# Altium PCB can_gateway_4.PcbDoc (part 2 of 2)
Units mm, origin at the board's own origin, x right, y up, seen from the top; angles counter-clockwise.
Board outline 100 x 67 mm, 2 copper layers (Top Layer, Bottom Layer); 219 components, 180 nets, 793 pads, 179 vias.
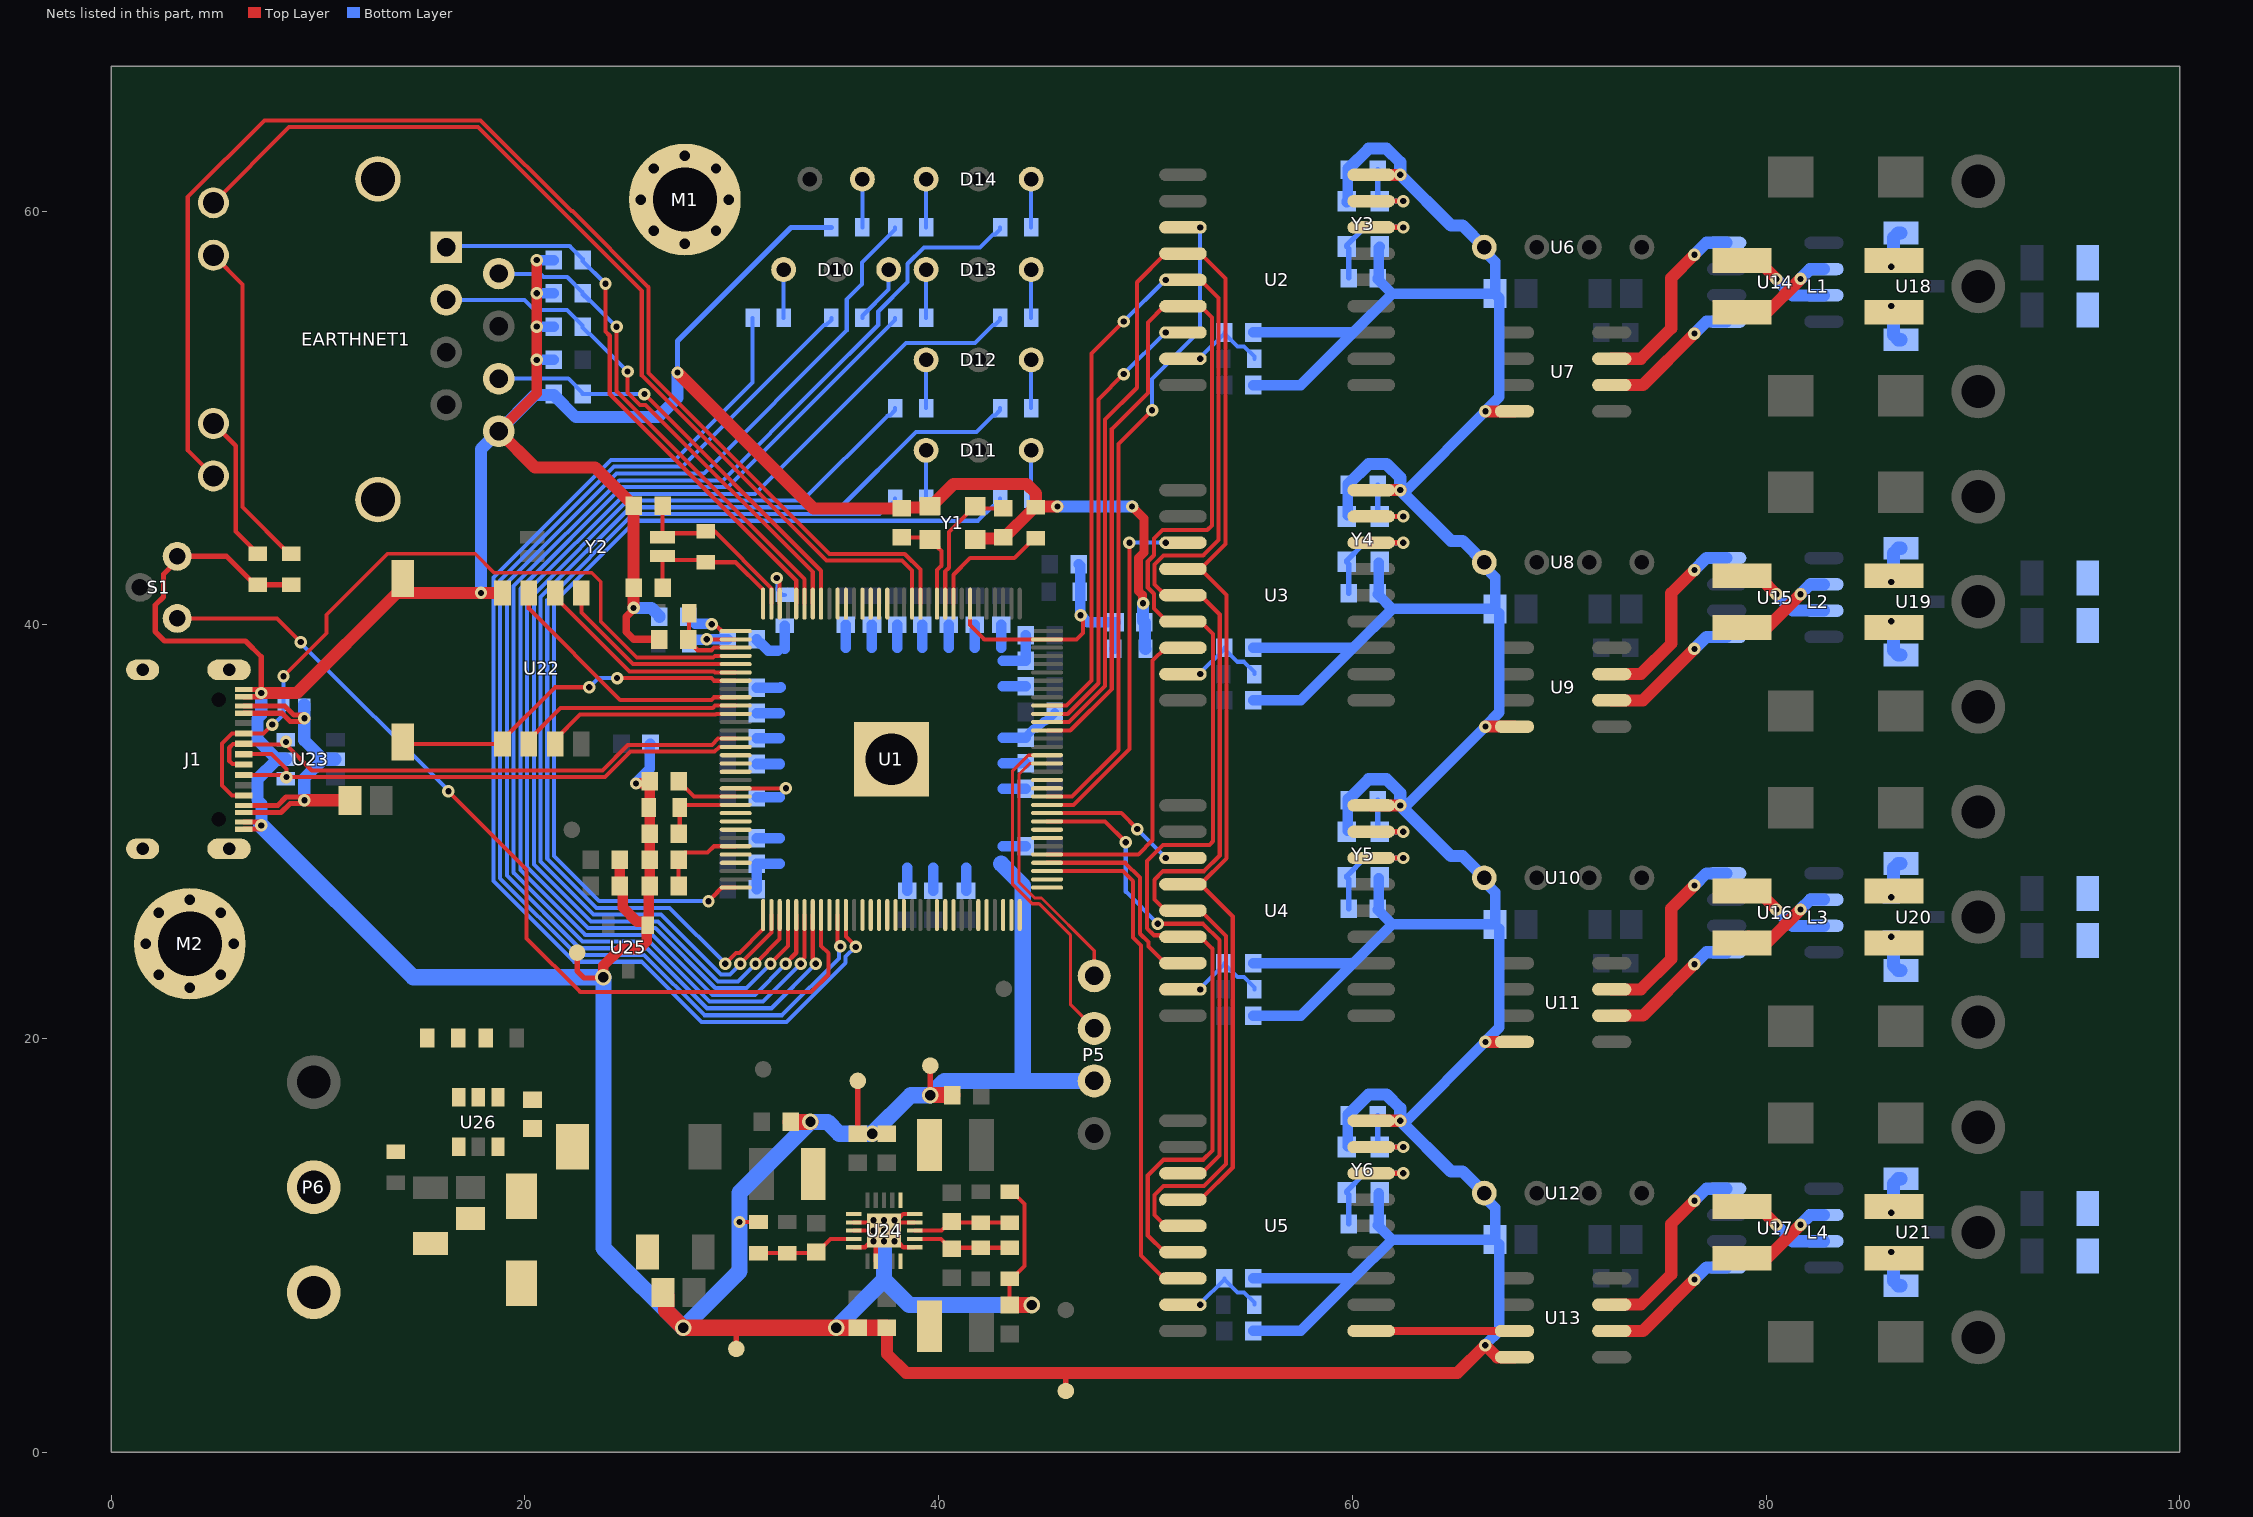
[diagram p2: the nets of this part, all layers, seen from the top]

## Via types
v1: diameter 0.6, hole 0.3, Top Layer to Bottom Layer, tented both sides, 159 vias
v2: diameter 0.8, hole 0.5, Top Layer to Bottom Layer, tented both sides, 18 vias
v3: diameter 0.6, hole 0.3, Top Layer to Bottom Layer, 2 vias

## Nets (pads, with @x,y where several pads share a name; then routed paths per layer and width w, separated by ;. In a path a pad name is that pad's centre, name@x,y a point inside that pad or via, vN(x,y) a via of type N, cw(c..) or ccw(c..) an arc to the next point about the centre after c; other vN are vias at no path point) (continued)
CAN3_TX: U5.1 U13.3 | length 6.9
  Top Layer w0.381: U5.1@60.91,5.872 U13.3@67.834,5.872
CS1: U1.54 U2.16 | length 21.4
  Top Layer w0.198: U1.54@45.245,35.7 46.244,35.7 47.722,37.178 47.722,50.897 v1(48.946,52.121)
  Bottom Layer w0.198: v1@48.948,52.118 v1@50.97,54.14
  other v1: 50.978,54.132
CS2: U1.37 U3.16 | length 15.8
  Top Layer w0.198: U1.37@45.245,28.9 49.652,28.9 50.343,29.591 50.343,38.274 50.96,38.892 U3.16@51.81,38.892
CS3: U1.36 U4.16 | length 10.3
  Top Layer w0.198: U1.36@45.245,28.5 49.021,28.5 49.733,27.788 49.733,25.07 50.14,24.663 50.14,24.46 50.948,23.652 U4.16@51.81,23.652
CS4: U1.35 U5.16 | length 25.1
  Top Layer w0.198: U1.35@45.245,28.1 48.913,28.1 49.403,27.61 49.403,24.892 49.784,24.511 49.784,9.525 50.897,8.412 U5.16@51.81,8.412
CSI_SCK: U1.9
CSI_SDA: S1.2 U1.8 | length 44.3
  Top Layer w0.198: S1.2@3.2,40.313 8.023,40.313 v3(9.169,39.167) ; v3(16.307,31.953) 20.091,28.169 20.091,24.841 22.682,22.25 33.833,22.25 34.671,23.089 34.671,24.13 34.32,24.481 U1.8@34.32,25.975
  Bottom Layer w0.198: v3(9.169,39.167) 9.169,39.129 16.307,31.991 v3(16.307,31.953)
DM: J1.5 J1.13 U1.110 U23.3 | length 27.1
  Top Layer w0.198: J1.5@6.422,33.25 6.398,33.274 5.867,33.274 5.715,33.426 5.715,34.061 5.893,34.239 6.411,34.239 J1.13@6.422,34.25 6.448,34.224 8.448,34.224 9.703,32.969 23.749,32.969 24.976,34.196 29.04,34.196 29.343,34.5 U1.110@30.195,34.5
  other v1: 8.458,34.341
DP: J1.4 J1.12 U1.111 U23.1 | length 27.2
  Top Layer w0.198: J1.12@6.422,32.75 8.372,32.75 v1(8.479,32.644) ; J1.4@6.422,33.75 7.753,33.75 8.479,33.025 v1(8.479,32.644) ; U1.111@30.195,34.1 29.403,34.1 29.174,33.871 25.11,33.871 23.884,32.644 v1(8.479,32.644)
EARTH: C34.2 C35.2 C36.2 C37.2 EARTHNET1.13 EARTHNET1.14 J1.17 M1.1 M2.1 P6.2 R17.1 R18.1 R19.1 R20.1
ETH_LED_LINK: EARTHNET1.12 U1.77 | length 64
  Top Layer w0.198: EARTHNET1.12@4.949,47.201 3.708,48.441 3.708,60.681 7.412,64.384 17.864,64.384 22.253,59.995 22.301,59.995 25.979,56.317 25.979,52.179 34.724,43.434 38.364,43.434 39.12,42.678 U1.77@39.12,41.025
ETH_LED_SPD: EARTHNET1.9 U1.78 | length 48.2
  Top Layer w0.198: EARTHNET1.9@4.949,60.401 8.607,64.059 17.729,64.059 25.654,56.134 25.654,52.045 34.59,43.109 38.229,43.109 38.72,42.618 U1.78@38.72,41.025
ETH_RX_N: C42.2 EARTHNET1.6 U1.89 | length 21
  Top Layer w0.203: v1(25.781,51.156) 34.32,42.617 U1.89@34.32,41.025
  Bottom Layer w0.198: EARTHNET1.6@18.739,51.901 22.103,51.901 22.798,51.206 C42.2@22.798,51.156 v1(25.781,51.156)
ETH_RX_P: C41.2 EARTHNET1.3 U1.90 | length 25.4
  Top Layer w0.198: v1(24.968,52.248) 24.968,51.224 25.563,50.63 25.844,50.63 33.92,42.553 33.92,42.186
  Top Layer w0.203: U1.90@33.92,41.025 33.92,42.186
  Bottom Layer w0.198: EARTHNET1.3@16.199,55.711 19.981,55.711 20.472,55.22 22.044,55.22 22.798,54.465 C41.2@22.798,54.415 22.798,54.365 23.099,54.064 23.149,54.064 v1@24.967,52.246
ETH_TX_N: C40.2 EARTHNET1.2 U1.91 | length 24.4
  Top Layer w0.203: v1(24.435,54.407) 24.435,51.294 33.52,42.209 U1.91@33.52,41.025
  Bottom Layer w0.198: EARTHNET1.2@18.739,56.981 18.763,56.957 20.767,56.957 20.904,56.82 22.052,56.82 22.798,56.074 C40.2@22.798,56.044 ; C40.2@22.783,56.059 C40.2@22.798,56.044 ; C40.2@23.099,55.673 22.798,55.974 C40.2@22.798,56.024 C40.2@22.798,56.044 ; v1(24.435,54.407) C40.2@22.798,56.044
ETH_TX_P: C39.2 EARTHNET1.1 U1.92 | length 27.8
  Top Layer w0.203: v1(23.901,56.49) 23.901,54.178 24.105,53.975 24.105,51.158 33.12,42.142 U1.92@33.12,41.025
  Bottom Layer w0.203: EARTHNET1.1@16.199,58.251 16.259,58.311 22.169,58.311 22.798,57.683 C39.2@22.798,57.633 22.798,57.583 23.863,56.517 v1@23.863,56.451
GND: C1.1 C2.1 C3.2 C4.2 C5.2 C6.1 C7.2 C8.1 C9.2 C10.1 C11.2 C12.1 C13.2 C14.1 C15.1 C16.1 C17.1 C18.1 C19.1 C20.1 C21.1 C22.1 C23.1 C24.1 C25.1 C38.1 C39.1 C40.1 C41.1 C42.1 C43.2 C44.2 C45.2 C46.2 C47.2 C48.1 C49.1 C53.1 C54.1 C55.1 C56.1 C57.1 C58.1 C59.1 C60.1 C61.1 C62.1 C63.1 C64.1 C65.1 C66.1 C67.1 C68.1 C69.1 C70.1 C71.1 C72.1 C73.1 C74.1 C75.1 C76.1 C77.1 C78.1 C79.1 C80.1 C81.1 C83.1 C84.1 C85.1 C86.1 C87.1 C88.1 C89.1 C90.1 C91.1 C93.1 C94.1 D15.1 EARTHNET1.8 J1.1 J1.8 J1.9 J1.16 P5.2 P6.1 pad.2 R2.1 R3.1 R22.1 R23.1 R24.2 R38.1 R39.1 R40.1 R44.1 R46.1 R47.2 S1.1 S2.1 T3.1 T4.1 T8.1 T9.1 T10.1 U1.116 U1.129 U2.9 U3.9 U4.9 U5.9 U6.1 U7.4 U8.1 U9.4 U10.1 U11.4 U12.1 U13.4 U22.4 U23.2 U24.1 U24.4 U24.5 U24.12 U24.13 U24.15 U24.17 U24.21 U25.3 U26.2 Y1.2 Y1.4 Y3.2 Y3.4 Y4.2 Y4.4 Y5.2 Y5.4 Y6.2 Y6.4 | length 537.6
  Top Layer w0.198: U1.116@30.195,32.1 v1(32.619,32.1) ; v1(30.378,11.139) R38.1@31.295,11.139 ; U24.15@35.888,9.919 36.436,9.919 U24.21@36.652,10.135 ; U24.13@35.888,10.719 v1(36.855,10.719) U24.21@36.963,10.719 ; U24.12@35.888,11.119 36.963,11.119 v1(37.363,10.719) ; U24.17@36.963,9.244 U24.21@36.963,10.319 ; U24.21@37.763,11.119 U24.4@38.838,11.119 ; U24.21@38.075,10.135 38.29,9.919 U24.1@38.838,9.919 ; U24.21@38.075,11.303 38.29,11.519 U24.5@38.838,11.519 ; C55.1@43.432,7.126 R40.1@43.432,8.394 43.532,8.394 44.145,9.007 44.145,11.999 43.532,12.612 R39.1@43.432,12.612
  Top Layer w0.249: J1.9@6.422,30.125 v1@7.264,30.125 ; J1.8@6.422,30.475 v1@7.264,30.475 ; J1.1@6.422,36.525 v1@7.264,36.525 ; J1.16@6.422,36.875 v1@7.264,36.875
  Top Layer w0.254: v1(7.264,36.706) 7.264,36.875 7.264,38.456 6.502,39.218 2.591,39.218 2.134,39.675 2.134,40.945 2.54,41.351 2.54,42.444 3.2,43.104 S1.1@3.2,43.313 5.588,43.313 6.964,41.937 R23.1@7.102,41.937 R22.1@8.713,41.937 ; T8.1@22.53,24.155 22.53,23.266 22.86,22.936 23.774,22.936 v2(23.8,22.962) ; T3.1@30.226,5.004 30.226,6.029 ; C44.2@36.093,15.405 T10.1@36.093,17.958 ; v2(39.599,17.272) T9.1@39.599,18.694 ; T4.1@46.152,2.972 46.152,3.835
  Top Layer w0.356: v1(25.259,40.818) 25.259,40.752 24.897,40.389 24.897,39.653 25.251,39.299 26.485,39.299 C1.1@26.49,39.294
  Top Layer w0.432: v1(49.352,45.72) 49.936,45.136 49.936,43.507 49.667,43.238 49.667,41.63 49.853,41.444 49.853,41.079 v1(49.886,41.046)
  Top Layer w0.508: EARTHNET1.8@18.739,49.361 20.574,51.196 v1(20.574,52.807) v1(20.574,54.415) v1(20.574,56.024) v1(20.574,57.633) ; v2(23.8,22.962) 23.8,23.52 24.613,24.333 25.527,24.333 25.898,24.704 25.898,25.438 U25.3@25.944,25.484 ; C49.1@24.586,28.645 C48.1@24.586,27.381 24.732,27.235 24.732,26.347 25.424,25.655 25.898,25.655 25.944,25.609 U25.3@25.944,25.484 ; v1(25.375,32.334) 25.392,32.352 25.954,32.352 C94.1@26.038,32.436 C91.1@26.038,29.909 C80.1@26.038,28.645 C78.1@26.038,27.381 25.99,27.332 25.99,25.53 U25.3@25.944,25.484
  Top Layer w0.584: v1(7.264,36.706) 8.994,36.706 13.835,41.547 v1(17.882,41.547) U22.4@18.923,41.547 ; EARTHNET1.8@18.739,49.361 20.492,47.608 23.402,47.608 C4.2@25.259,45.751 C5.2@25.259,41.803 v1(25.259,40.818) ; v1(27.381,52.197) 33.952,45.626 C3.2@38.227,45.626 38.276,45.675 39.532,45.675 Y1.4@39.581,45.725 39.631,45.725 40.719,46.812 44.247,46.812 44.704,46.355 R3.1@44.704,45.676 ; C47.2@37.49,6.029 37.512,6.007 37.512,4.753 38.43,3.835 46.152,3.835 65.075,3.835 v1(66.421,5.182) 67.001,4.602 U13.4@67.834,4.602 ; Y1.2@41.778,44.128 41.827,44.177 43.08,44.177 C2.1@43.129,44.226 43.179,44.226 44.546,45.593 44.546,45.618 44.604,45.676 R3.1@44.704,45.676 ; v1(45.745,45.72) 45.742,45.717 44.745,45.717 R3.1@44.704,45.676 ; U5.9@60.91,16.032 v1(62.316,16.032) ; U4.9@60.91,31.272 v1(62.316,31.272) ; U3.9@60.91,46.512 v1(62.316,46.512) ; U2.9@60.91,61.752 v1(62.316,61.752) ; v1(66.429,19.842) U11.4@67.834,19.842 ; v1(66.429,35.082) U9.4@67.834,35.082 ; v1(66.429,50.322) U7.4@67.834,50.322
  Top Layer w0.787: C90.1@26.682,7.739 26.838,7.583 26.838,6.846 27.651,6.033 v2(27.651,6.029) 30.226,6.029 v2(35.052,6.029) C46.2@36.093,6.029 C47.2@37.49,6.029 ; C53.1@32.856,15.977 v2(33.807,15.977) ; v2(39.599,17.272) C54.1@40.668,17.272 ; C55.1@43.432,7.126 v2(44.501,7.126)
  Bottom Layer w0.254: C42.1@21.398,51.106 C42.1@21.398,51.156 ; v1(27.381,52.197) 27.381,53.721 32.87,59.21 R24.2@34.817,59.21
  Bottom Layer w0.406: C62.1@44.22,34.552 44.22,34.602 44.626,35.008 44.757,35.008 45.081,35.333 45.164,35.333 45.373,35.542 45.423,35.542 45.62,35.739 C59.1@45.62,35.789
  Bottom Layer w0.508: v1(20.574,52.807) C38.1@21.398,52.807 ; v1(20.574,54.415) C41.1@21.398,54.415 ; v1(20.574,56.024) C40.1@21.398,56.024 ; v1(20.574,57.633) C39.1@21.398,57.633 ; v1(25.375,32.334) 25.375,32.359 26.05,33.035 26.05,34.223 C43.2@26.075,34.247 ; C61.1@31.22,27.229 C75.1@31.22,28.448 32.334,28.448 ; C76.1@31.22,29.693 32.334,29.693 ; C89.1@31.22,31.664 32.334,31.664 ; C87.1@31.22,33.275 32.334,33.275 ; C66.1@31.22,34.519 32.334,34.519 ; C73.1@31.22,35.738 32.334,35.738 ; C63.1@31.22,36.957 32.334,36.957 32.36,36.982 ; C71.1@31.22,39.3 31.22,39.25 31.366,39.104 31.416,39.104 31.76,38.76 32.233,38.76 ; 32.563,38.836 R2.1@32.563,39.95 ; 35.509,38.886 C68.1@35.509,40 ; 36.779,38.886 C70.1@36.779,40 ; 37.998,38.886 C86.1@37.998,40 ; C77.1@38.481,27.141 38.481,28.256 ; 39.218,38.886 C74.1@39.218,40 ; C58.1@39.751,27.141 39.751,28.256 ; 40.485,38.886 C81.1@40.485,40 ; C56.1@41.326,27.141 41.326,28.256 ; 41.756,38.886 C79.1@41.756,40 ; 43.028,38.886 C83.1@43.028,40 ; 43.106,29.3 C64.1@44.22,29.3 ; 43.106,32.08 C60.1@44.22,32.08 ; 43.106,33.316 C57.1@44.22,33.316 ; 43.106,34.552 C62.1@44.22,34.552 ; 43.106,37.025 C67.1@44.22,37.025 ; 43.106,38.261 C85.1@44.22,38.261 ; C85.1@44.22,38.383 C65.1@44.22,39.497 ; C21.1@55.212,5.872 57.512,5.872 60.052,8.412 ; C17.1@55.212,8.412 60.052,8.412 ; C20.1@55.212,21.112 57.512,21.112 60.052,23.652 ; C16.1@55.212,23.652 60.052,23.652 ; C19.1@55.212,36.352 57.512,36.352 60.052,38.892 ; C15.1@55.212,38.892 60.052,38.892 ; C18.1@55.212,51.592 57.512,51.592 60.052,54.132 ; C14.1@55.212,54.132 60.052,54.132 ; Y3.2@59.724,60.432 Y3.2@59.724,60.482 59.773,60.531 59.773,61.957 C6.1@59.823,62.006 ; Y6.2@59.773,14.811 C12.1@59.773,16.237 ; Y5.2@59.773,30.051 C10.1@59.773,31.477 ; Y4.2@59.773,45.291 C8.1@59.773,46.717 ; C13.2@61.223,10.991 61.927,10.287 ; C11.2@61.223,26.231 61.927,25.527 ; C9.2@61.223,41.471 61.927,40.767 ; C13.2@61.272,11.09 Y6.4@61.272,12.516 ; C11.2@61.272,26.33 Y5.4@61.272,27.756 ; C9.2@61.272,41.57 Y4.4@61.272,42.996 ; Y3.4@61.321,58.285 61.272,58.236 61.272,56.81 C7.2@61.223,56.761 61.223,56.711 61.927,56.007 ; v1(62.316,46.512) 62.619,46.512 v1(66.429,50.322) 66.429,50.347 67.11,51.028 67.11,55.791 C22.1@66.894,56.007 ; 62.619,16.032 v1(66.429,19.842) 66.429,19.867 67.11,20.548 C24.1@67.11,25.311 ; 62.619,31.272 v1(66.429,35.082) 66.429,35.107 67.11,35.788 C23.1@67.11,40.551 ; U12.1@66.374,12.349 66.894,11.829 C25.1@66.894,10.287 61.927,10.287 ; U10.1@66.374,27.589 66.894,27.069 C24.1@66.894,25.527 61.927,25.527 ; U8.1@66.374,42.829 66.894,42.309 C23.1@66.894,40.767 61.927,40.767 ; U6.1@66.374,58.256 66.374,58.069 66.894,57.549 C22.1@66.894,56.007 ; v1(66.421,5.182) 66.421,5.206 67.11,5.895 C25.1@67.11,10.071 ; 60.052,8.412 61.927,10.287 ; 60.052,23.652 61.927,25.527 ; 60.052,38.892 61.927,40.767 ; 60.052,54.132 61.927,56.007 ; 61.927,56.007 C22.1@66.894,56.007
  Bottom Layer w0.584: v1(7.264,30.306) 7.264,31.349 7.082,31.532 7.082,32.55 8.004,33.473 8.422,33.473 U23.2@8.452,33.503 8.419,33.536 8.001,33.536 7.079,34.458 7.079,35.477 7.261,35.66 7.261,36.703 v1(7.264,36.706) ; v1(17.882,41.547) 17.882,48.503 EARTHNET1.8@18.739,49.361 20.484,51.106 21.398,51.106 22.466,50.038 26.441,50.038 27.381,50.978 v1(27.381,52.197) ; v1(25.259,40.818) 25.262,40.815 26.125,40.815 26.503,40.436 C84.1@26.503,40.386 ; v1(45.745,45.72) v1(49.352,45.72) ; v1(49.886,41.046) 49.889,41.043 49.889,40.194 C93.1@49.951,40.132 49.976,40.107 49.976,38.862 R47.2@50.001,38.837 ; C12.1@59.823,16.336 60.784,17.297 61.654,17.297 62.313,16.638 62.313,16.035 v1(62.316,16.032) 64.768,13.58 65.33,13.58 U12.1@66.374,12.536 ; C10.1@59.823,31.576 60.784,32.537 61.654,32.537 62.313,31.878 62.313,31.275 v1(62.316,31.272) 64.768,28.82 65.33,28.82 U10.1@66.374,27.776 ; C8.1@59.823,46.816 60.784,47.777 61.654,47.777 62.313,47.118 62.313,46.515 v1(62.316,46.512) 64.768,44.06 65.33,44.06 U8.1@66.374,43.016 ; C6.1@59.823,62.006 59.823,62.056 60.784,63.017 61.654,63.017 62.313,62.358 62.313,61.755 v1(62.316,61.752) 64.768,59.3 65.33,59.3 U6.1@66.374,58.256
  Bottom Layer w0.787: v1(7.264,30.306) 14.609,22.962 v2(23.8,22.962) 23.8,9.881 v2(27.651,6.029) 30.378,8.757 v1(30.378,11.139) 30.378,12.548 v2(33.807,15.977) 33.81,15.974 34.635,15.974 35.204,15.405 v2(36.786,15.405) 38.65,17.27 39.596,17.27 v2(39.599,17.272) 39.602,17.272 40.288,17.958 43.906,17.958 ; v2(35.052,6.029) 37.363,8.341 ; v1(37.363,10.211) 37.363,8.341 ; 43.028,28.448 44.069,27.407 44.069,18.121 43.906,17.958 ; v2(44.501,7.126) 38.578,7.126 37.363,8.341 ; P5.2@47.523,17.958 43.906,17.958
  other v1: 36.855,10.211 37.871,10.211 37.871,10.719 36.855,11.227 37.363,11.227 37.871,11.227
HBIAS: U1.119
HP_COM: U1.125
HP_COMFB: U1.124
HP_L: U1.121
HP_R: U1.120
INT1: U1.44 U2.12 | length 31.3
  Top Layer w0.198: U1.44@45.245,31.7 46.457,31.7 48.697,33.939 48.697,48.748 v1(50.317,50.368)
  Bottom Layer w0.198: v1(50.317,50.368) 50.317,51.892 52.643,54.218 v1(52.643,59.212)
INT2: U1.43 U3.12 | length 16.9
  Top Layer w0.198: U1.43@45.245,31.3 46.517,31.3 49.225,34.008 v1@49.225,43.967 ; U3.12@51.734,43.895 U3.12@51.81,43.972
  Bottom Layer w0.198: v1@49.225,43.967 49.23,43.972 v1(50.978,43.972)
  other v1: 49.225,43.972
INT3: U1.42 U4.12 | length 6.6
  Top Layer w0.198: U1.42@45.245,30.9 48.831,30.9 v1(49.602,30.129)
  Bottom Layer w0.198: v1@49.599,30.126 v1@50.986,28.74
  other v1: 50.978,28.732
INT4: U1.41 U5.12 | length 24.6
  Top Layer w0.198: U1.41@45.245,30.5 48.042,30.5 v1(49.05,29.492) ; v1(50.597,25.552) 52.774,25.552 53.569,24.758 53.569,14.351 52.709,13.492 U5.12@51.81,13.492
  Bottom Layer w0.198: v1@49.047,29.489 49.047,27.102 v1(50.597,25.552)
KEYADC0: U1.112
LCD_D2: U1.33
LCD_D3: U1.32
LCD_D4: U1.31
LCD_D5: U1.30
LCD_D6: U1.28
LCD_D7: U1.27
LCD_D10: U1.24
LCD_D11: U1.23
LCD_D12: U1.22
LCD_D13: U1.18
LCD_D14: U1.17
LCD_D15: U1.16
LCD_D18: U1.15
LCD_D19: U1.14
LCD_D20: U1.13
LCD_D21: R26.2 U1.11 | length 58
  Top Layer w0.198: U1.11@35.52,25.975 35.52,24.939 35.992,24.468 v1(35.992,24.435)
  Bottom Layer w0.198: R26.2@31.007,54.841 31.007,51.708 27.269,47.97 24.173,47.97 18.486,42.284 18.486,27.617 22.385,23.719 25.634,23.719 28.544,20.808 32.644,20.808 35.503,23.667 35.503,23.964 35.974,24.435 v1(35.992,24.435)
LCD_D22: R34.2 U1.7 | length 62.5
  Top Layer w0.198: U1.7@33.92,25.975 33.92,23.872 34.061,23.731 v1(34.061,23.622)
  Bottom Layer w0.198: v1(34.061,23.622) 34.061,23.606 31.926,21.47 28.801,21.47 25.903,24.369 22.654,24.369 19.136,27.886 19.136,42.014 24.442,47.32 28.651,47.32 35.56,54.229 35.56,55.728 36.297,56.464 36.297,57.511 37.895,59.11 R34.2@37.895,59.21
LCD_D23: R33.2 U1.6 | length 65.2
  Top Layer w0.198: v1(33.333,23.622) 33.333,23.731 33.52,23.917 U1.6@33.52,25.975
  Bottom Layer w0.198: v1(33.333,23.622) 33.333,23.606 31.523,21.795 28.936,21.795 26.038,24.694 22.789,24.694 19.461,28.021 19.461,41.88 24.567,46.985 29.58,46.985 34.18,51.585 34.181,51.585 37.084,54.488 37.084,55.149 38.506,56.572 38.506,57.455 39.294,58.242 42.008,58.242 42.624,58.859 42.724,58.859 42.975,59.11 R33.2@42.975,59.21
LCD_VSYNC: U1.34
MCSI_CK_N: U1.87
MCSI_CK_P: U1.86
MCSI_D0_N: U1.82
MCSI_D0_P: U1.81
MCSI_D1_N: U1.84
MCSI_D1_P: U1.83
MCSI_MCLK: R25.2 U1.10 | length 58.2
  Top Layer w0.198: U1.10@35.12,25.975 35.12,24.704 35.255,24.569 v1(35.255,24.46)
  Bottom Layer w0.198: R25.2@34.817,54.841 34.817,54.741 34.566,54.49 34.466,54.49 27.622,47.645 24.307,47.645 18.811,42.149 18.811,27.752 22.519,24.044 25.768,24.044 28.679,21.133 32.436,21.133 35.178,23.875 35.178,24.383 v1(35.255,24.46)
MCSI_PWDN: R31.2 U1.4 | length 59.1
  Top Layer w0.198: v1(31.877,23.622) 31.877,23.638 32.72,24.481 U1.4@32.72,25.975
  Bottom Layer w0.198: v1(31.877,23.622) 31.877,23.606 30.717,22.446 29.205,22.446 26.307,25.344 23.058,25.344 20.112,28.29 20.112,41.61 24.836,46.335 31.12,46.335 38.418,53.633 41.767,53.633 42.624,54.49 42.724,54.49 42.975,54.741 R31.2@42.975,54.841
MCSI_RST: R32.2 U1.5 | length 55.7
  Top Layer w0.198: v1(32.605,23.622) 32.605,23.638 33.12,24.153 U1.5@33.12,25.975
  Bottom Layer w0.198: v1(32.605,23.622) 32.605,23.606 31.12,22.121 29.071,22.121 26.172,25.019 22.923,25.019 19.787,28.156 19.787,41.745 24.701,46.66 29.814,46.66 37.895,54.741 R32.2@37.895,54.841
MIC_N: U1.114
MIC_P: U1.113
MISO: U1.52 U2.15 U3.15 U4.15 U5.15 | length 84.9
  Top Layer w0.198: U1.52@45.245,34.9 46.363,34.9 48.372,36.909 48.372,49.464 50.114,51.206 50.114,54.61 50.906,55.402 U2.15@51.81,55.402 52.66,55.402 53.213,54.849 53.213,44.806 52.984,44.577 50.822,44.577 50.419,44.174 50.419,43.364 50.109,43.054 50.109,41.813 50.419,41.504 50.419,40.792 51.05,40.162 U3.15@51.81,40.162 52.66,40.162 53.264,39.558 53.264,29.54 53.086,29.362 50.847,29.362 50.071,28.586 50.071,25.335 50.406,24.999 51.734,24.999 U4.15@51.81,24.922 52.66,24.922 53.238,24.344 53.238,14.596 52.79,14.148 50.872,14.148 50.109,13.385 50.109,10.495 50.923,9.682 U5.15@51.81,9.682
MOSI: U1.55 U2.14 U3.14 U4.14 U5.14 | length 83.7
  Top Layer w0.198: U1.55@45.245,36.1 46.184,36.1 47.396,37.313 47.396,53.111 v1(48.946,54.661) ; U5.14@51.81,10.952 50.96,10.952 50.434,11.478 50.434,12.44 50.872,12.878 52.832,12.878 53.894,13.94 53.894,24.959 52.66,26.192 U4.14@51.81,26.192 50.96,26.192 50.434,26.718 50.434,27.68 50.847,28.092 52.829,28.092 53.589,28.852 53.589,40.503 52.66,41.432 50.96,41.432 50.434,41.958 50.434,42.92 50.872,43.358 52.79,43.358 53.538,44.106 53.538,55.792 U2.14@52.659,56.672 ; U2.14@51.81,56.672 U2.14@52.633,56.672
  Bottom Layer w0.198: v1@48.948,54.658 v1@50.97,56.68
  other v1: 50.978,56.672
NetC6_2: C6.2 U2.8 Y3.3 | length 4.3
  Top Layer w0.254: U2.8@60.91,60.482 v1(62.459,60.482)
  Bottom Layer w0.254: C6.2@61.223,62.006 61.223,60.58 Y3.3@61.321,60.482 v1(62.459,60.482)
NetC7_1: C7.1 U2.7 Y3.1 | length 6.3
  Top Layer w0.254: U2.7@60.91,59.212 v1(62.459,59.212)
  Bottom Layer w0.254: C7.1@59.823,56.761 59.823,58.187 Y3.1@59.724,58.285 59.724,58.335 60.601,59.212 v1(62.459,59.212)
NetC8_2: C8.2 U3.8 Y4.3 | length 4.3
  Top Layer w0.254: U3.8@60.91,45.242 v1(62.459,45.242)
  Bottom Layer w0.254: C8.2@61.223,46.766 61.223,45.34 Y4.3@61.321,45.242 v1(62.459,45.242)
NetC9_1: C9.1 U3.7 Y4.1 | length 6.3
  Top Layer w0.254: U3.7@60.91,43.972 v1(62.459,43.972)
  Bottom Layer w0.254: C9.1@59.823,41.521 59.823,42.947 Y4.1@59.724,43.045 59.724,43.095 60.601,43.972 v1(62.459,43.972)
NetC10_2: C10.2 U4.8 Y5.3 | length 4.3
  Top Layer w0.254: U4.8@60.91,30.002 v1(62.459,30.002)
  Bottom Layer w0.254: C10.2@61.223,31.526 61.223,30.1 Y5.3@61.321,30.002 v1(62.459,30.002)
NetC11_1: C11.1 U4.7 Y5.1 | length 6.3
  Top Layer w0.254: U4.7@60.91,28.732 v1(62.459,28.732)
  Bottom Layer w0.254: C11.1@59.823,26.281 59.823,26.82 59.823,27.707 Y5.1@59.724,27.805 59.724,27.855 59.78,27.911 60.601,28.732 v1(62.459,28.732)
NetC12_2: C12.2 U5.8 Y6.3 | length 4.3
  Top Layer w0.254: U5.8@60.91,14.762 v1(62.459,14.762)
  Bottom Layer w0.254: C12.2@61.223,16.286 61.223,14.86 Y6.3@61.321,14.762 v1(62.459,14.762)
NetC13_1: C13.1 U5.7 Y6.1 | length 6.3
  Top Layer w0.254: U5.7@60.91,13.492 v1(62.459,13.492)
  Bottom Layer w0.254: C13.1@59.823,11.041 59.823,12.467 Y6.1@59.724,12.565 59.724,12.615 60.601,13.492 v1(62.459,13.492)
NetC14_2: C14.2 R5.2 U2.17 | length 3.8
  Bottom Layer w0.198: v1(52.643,52.862) 52.643,52.913 C14.2@53.812,54.082 ; C14.2@53.812,54.132 C14.2@53.812,54.082 ; R5.2@55.262,52.862 55.262,52.962 54.768,53.456 54.438,53.456 C14.2@53.812,54.082
NetC15_2: C15.2 R6.2 U3.17 | length 3.8
  Bottom Layer w0.198: v1(52.643,37.622) 52.643,37.673 C15.2@53.812,38.842 ; C15.2@53.812,38.892 C15.2@53.812,38.842 ; R6.2@55.262,37.622 55.262,37.722 54.768,38.216 54.438,38.216 C15.2@53.812,38.842
NetC16_2: C16.2 R7.2 U4.17 | length 3.8
  Bottom Layer w0.198: v1(52.643,22.382) 52.643,22.433 C16.2@53.812,23.602 ; C16.2@53.812,23.652 C16.2@53.812,23.602 ; R7.2@55.262,22.382 55.262,22.482 54.768,22.976 54.438,22.976 C16.2@53.812,23.602
NetC17_2: C17.2 R8.2 U5.17 | length 3.8
  Bottom Layer w0.198: v1(52.643,7.142) 52.643,7.193 C17.2@53.812,8.362 ; C17.2@53.812,8.412 C17.2@53.812,8.362 ; R8.2@55.262,7.142 55.262,7.242 54.768,7.736 54.438,7.736 C17.2@53.812,8.362
NetC50_1: C50.1 R35.1 R38.2 U24.14 | length 4.9
  Top Layer w0.198: R38.2@31.295,9.639 R35.1@32.692,9.639 34.039,9.639 C50.1@34.089,9.689 34.139,9.689 34.769,10.319 U24.14@35.888,10.319
NetC51_1: C51.1 R36.1 R39.2 U24.3 | length 4.8
  Top Layer w0.198: U24.3@38.838,10.719 40.145,10.719 40.588,11.162 40.638,11.112 R36.1@42.035,11.112 R39.2@43.432,11.112
NetC52_1: C52.1 R37.1 R40.2 U24.2 | length 4.8
  Top Layer w0.198: U24.2@38.838,10.319 40.114,10.319 40.588,9.844 40.638,9.894 R37.1@42.035,9.894 R40.2@43.432,9.894
NetC82_1: C82.1 D15.2 L8.1 U26.6
NetC82_2: C82.2 U26.1
NetD9_2: D9.2 R24.1 | length 2.3
  Bottom Layer w0.198: R24.1@36.317,59.21 D9.2@36.317,61.544
NetD10_1: D10.1 R26.1 | length 2.3
  Bottom Layer w0.198: R26.1@32.507,54.841 D10.1@32.507,57.175
NetD10_3: D10.3 R25.1 | length 2.9
  Bottom Layer w0.198: R25.1@36.317,54.841 36.317,54.941 37.587,56.211 D10.3@37.587,57.175
NetD11_1: D11.1 R28.1 | length 2.3
  Bottom Layer w0.198: R28.1@39.395,46.104 D11.1@39.395,48.438
NetD11_3: D11.3 R27.1 | length 2.3
  Bottom Layer w0.198: R27.1@44.475,46.104 D11.3@44.475,48.438
NetD12_1: D12.1 R30.1 | length 2.3
  Bottom Layer w0.198: R30.1@39.395,50.472 D12.1@39.395,52.807
NetD12_3: D12.3 R29.1 | length 2.3
  Bottom Layer w0.198: R29.1@44.475,50.472 D12.3@44.475,52.807
NetD13_1: D13.1 R32.1 | length 2.3
  Bottom Layer w0.198: R32.1@39.395,54.841 D13.1@39.395,57.175
NetD13_3: D13.3 R31.1 | length 2.3
  Bottom Layer w0.198: R31.1@44.475,54.841 D13.3@44.475,57.175
NetD14_1: D14.1 R34.1 | length 2.3
  Bottom Layer w0.198: R34.1@39.395,59.21 D14.1@39.395,61.544
NetD14_3: D14.3 R33.1 | length 2.3
  Bottom Layer w0.198: R33.1@44.475,59.21 D14.3@44.475,61.544
NetEARTHNET1_10: EARTHNET1.10 R22.2 | length 16
  Top Layer w0.198: EARTHNET1.10@4.949,57.865 6.354,56.46 6.354,45.696 8.613,43.437 R22.2@8.713,43.437
NetEARTHNET1_11: EARTHNET1.11 R23.2 | length 7.2
  Top Layer w0.198: EARTHNET1.11@4.949,49.737 6.029,48.657 6.029,44.51 R23.2@7.102,43.437
NetL1_1: L1.1 R10.2 U18.2 | length 1.8
  Bottom Layer w0.635: U18.2@86.155,57.328 86.155,58.713 86.387,58.946 R10.2@86.509,58.946
  other v1: 86.047,57.31
NetL1_2: L1.2 U14.7 | length 4.5
  Top Layer w0.584: L1.2@78.834,57.61 L1.2@79.659,57.61 ; L1.2@79.784,57.432 80.493,56.722 v1(80.493,56.718)
  Bottom Layer w0.584: v1(80.493,56.718) 81.283,55.928 U14.7@82.792,55.928
NetL1_3: L1.3 U14.6 | length 4.2
  Top Layer w0.584: L1.3@78.834,55.11 L1.3@79.142,55.418 ; L1.3@79.958,55.018 v1(81.661,56.721)
  Bottom Layer w0.584: v1(81.661,56.721) 82.138,57.198 U14.6@82.792,57.198
NetL1_4: L1.4 R9.2 U18.3 | length 1.8
  Bottom Layer w0.635: U18.3@86.155,55.393 86.155,54.012 86.387,53.779 R9.2@86.509,53.779
  other v1: 86.047,55.41
NetL2_1: L2.1 R12.2 U19.2 | length 1.8
  Bottom Layer w0.635: U19.2@86.155,42.088 86.155,43.473 86.387,43.706 R12.2@86.509,43.706
  other v1: 86.047,42.07
NetL2_2: L2.2 U15.7 | length 4.5
  Top Layer w0.584: L2.2@78.834,42.37 L2.2@79.659,42.37 ; L2.2@79.784,42.192 80.493,41.482 v1(80.493,41.478)
  Bottom Layer w0.584: v1(80.493,41.478) 81.283,40.688 U15.7@82.792,40.688
NetL2_3: L2.3 U15.6 | length 4.2
  Top Layer w0.584: L2.3@78.834,39.87 L2.3@79.142,40.178 ; L2.3@79.958,39.778 v1(81.661,41.481)
  Bottom Layer w0.584: v1(81.661,41.481) 82.138,41.958 U15.6@82.792,41.958
NetL2_4: L2.4 R11.2 U19.3 | length 1.8
  Bottom Layer w0.635: U19.3@86.155,40.153 86.155,38.772 86.387,38.539 R11.2@86.509,38.539
  other v1: 86.047,40.17
NetL3_1: L3.1 R14.2 U20.2 | length 1.8
  Bottom Layer w0.635: U20.2@86.155,26.848 86.155,28.233 86.387,28.466 R14.2@86.509,28.466
  other v1: 86.047,26.83
NetL3_2: L3.2 U16.7 | length 4.5
  Top Layer w0.584: L3.2@78.834,27.13 L3.2@79.659,27.13 ; L3.2@79.784,26.952 80.493,26.242 v1(80.493,26.238)
  Bottom Layer w0.584: v1(80.493,26.238) 81.283,25.448 U16.7@82.792,25.448
NetL3_3: L3.3 U16.6 | length 4.2
  Top Layer w0.584: L3.3@78.834,24.63 L3.3@79.142,24.938 ; L3.3@79.958,24.538 v1(81.661,26.241)
  Bottom Layer w0.584: v1(81.661,26.241) 82.138,26.718 U16.6@82.792,26.718
NetL3_4: L3.4 R13.2 U20.3 | length 1.8
  Bottom Layer w0.635: U20.3@86.155,24.913 86.155,23.532 86.387,23.299 R13.2@86.509,23.299
  other v1: 86.047,24.93
NetL4_1: L4.1 R16.2 U21.2 | length 1.8
  Bottom Layer w0.635: U21.2@86.155,11.608 86.155,12.993 86.387,13.226 R16.2@86.509,13.226
  other v1: 86.047,11.59
NetL4_2: L4.2 U17.7 | length 4.5
  Top Layer w0.584: L4.2@78.834,11.89 L4.2@79.659,11.89 ; L4.2@79.784,11.712 80.493,11.002 v1(80.493,10.998)
  Bottom Layer w0.584: v1(80.493,10.998) 81.283,10.208 U17.7@82.792,10.208
NetL4_3: L4.3 U17.6 | length 4.2
  Top Layer w0.584: L4.3@78.834,9.39 L4.3@79.142,9.698 ; L4.3@79.958,9.298 v1(81.661,11.001)
  Bottom Layer w0.584: v1(81.661,11.001) 82.138,11.478 U17.6@82.792,11.478
NetL4_4: L4.4 R15.2 U21.3 | length 1.8
  Bottom Layer w0.635: U21.3@86.155,9.673 86.155,8.292 86.387,8.059 R15.2@86.509,8.059
  other v1: 86.047,9.69
NetL5_1: L5.1 U24.11
NetL6_1: L6.1 U24.6
NetL7_1: L7.1 U24.20
NetR2_2: R2.2 U1.94 | length 2.3
  Top Layer w0.198: v1(32.182,42.266) 32.182,42.157 32.32,42.019 U1.94@32.32,41.025
  Bottom Layer w0.198: v1(32.182,42.266) 32.212,42.236 32.212,41.701 32.463,41.45 R2.2@32.563,41.45
NetR3_2: R3.2 U1.73 | length 6.1
  Top Layer w0.198: U1.73@40.72,41.025 40.72,42.422 41.529,43.231 43.659,43.231 44.604,44.176 R3.2@44.704,44.176
NetR42_1: R42.1 U26.4
NetR43_1: R43.1 R44.2 U26.3
NetU7_6: U7.6 U14.1 | length 6.8
  Top Layer w0.584: U7.6@72.534,51.592 74.045,51.592 v1(76.53,54.077)
  Bottom Layer w0.584: v1(76.53,54.077) 77.111,54.658 U14.1@78.092,54.658
NetU7_7: U7.7 U14.4 | length 9.3
  Top Layer w0.584: U7.7@72.534,52.862 73.944,52.862 75.413,54.331 75.413,56.769 v1(76.53,57.887)
  Bottom Layer w0.584: v1(76.53,57.887) 77.111,58.468 U14.4@78.092,58.468
NetU9_6: U9.6 U15.1 | length 6.8
  Top Layer w0.584: U9.6@72.534,36.352 74.045,36.352 v1(76.53,38.837)
  Bottom Layer w0.584: v1(76.53,38.837) 77.111,39.418 U15.1@78.092,39.418
NetU9_7: U9.7 U15.4 | length 9.3
  Top Layer w0.584: U9.7@72.534,37.622 73.944,37.622 75.413,39.091 75.413,41.529 v1(76.53,42.647)
  Bottom Layer w0.584: v1(76.53,42.647) 77.111,43.228 U15.4@78.092,43.228
NetU11_6: U11.6 U16.1 | length 6.8
  Top Layer w0.584: U11.6@72.534,21.112 74.045,21.112 v1(76.53,23.597)
  Bottom Layer w0.584: v1(76.53,23.597) 77.111,24.178 U16.1@78.092,24.178
NetU11_7: U11.7 U16.4 | length 9.3
  Top Layer w0.584: U11.7@72.534,22.382 73.944,22.382 75.413,23.851 75.413,26.289 v1(76.53,27.407)
  Bottom Layer w0.584: v1(76.53,27.407) 77.111,27.988 U16.4@78.092,27.988
NetU13_6: U13.6 U17.1 | length 6.8
  Top Layer w0.584: U13.6@72.534,5.872 74.045,5.872 v1(76.53,8.357)
  Bottom Layer w0.584: v1(76.53,8.357) 77.111,8.938 U17.1@78.092,8.938
NetU13_7: U13.7 U17.4 | length 9.3
  Top Layer w0.584: U13.7@72.534,7.142 73.944,7.142 75.413,8.611 75.413,11.049 v1(76.53,12.167)
  Bottom Layer w0.584: v1(76.53,12.167) 77.111,12.748 U17.4@78.092,12.748
PF6: J1.3 J1.11 R21.1 U1.100 | length 36.8
  Top Layer w0.178: v1(8.339,37.516) 10.414,39.591 10.414,40.488 13.36,43.434 17.602,43.434 18.517,42.52 23.241,42.52 23.673,42.088 23.673,40.157 25.41,38.42 29.107,38.42 29.183,38.496 30.191,38.496 U1.100@30.195,38.5
  Top Layer w0.198: J1.11@6.435,31.763 J1.11@6.422,31.75 5.842,31.75 5.359,32.233 5.359,34.265 5.845,34.75 J1.3@6.422,34.75 7.369,34.75 v1(7.798,35.179)
  Bottom Layer w0.198: v1(7.798,35.179) 7.801,35.179 7.823,35.157 8.339,35.673 R21.1@8.339,36.144 v1(8.339,37.516)
RESET: C1.2 R1.2 U1.99 | length 3.8
  Top Layer w0.198: C1.2@27.89,39.294 27.89,39.244 28.359,38.774 29.016,38.774 29.142,38.9 U1.99@30.195,38.9 ; C1.2@27.94,39.344 R1.2@27.94,40.568
SCK: U1.53 U2.13 U3.13 U4.13 U5.13 | length 76.4
  Top Layer w0.198: U1.53@45.245,35.3 46.304,35.3 48.047,37.043 48.047,49.926 49.581,51.46 49.581,56.561 50.962,57.942 U2.13@51.81,57.942 ; U3.13@51.81,42.702 U3.13@52.659,42.702 ; U5.13@52.659,12.222 54.219,13.782 54.219,25.902 52.659,27.462 53.914,28.717 53.914,41.447 U3.13@52.659,42.702 ; U2.13@52.659,57.942 53.863,56.737 53.863,43.906 U3.13@52.659,42.702
SDC0_CLK: U1.105 U22.3 | length 12.6
  Top Layer w0.198: U22.3@20.193,41.547 20.193,40.792 24.611,36.374 29.016,36.374 29.142,36.5 U1.105@30.195,36.5
SDC0_CMD: S2.2 U1.103 U22.5 | length 17.6
  Top Layer w0.198: S2.2@14.097,34.34 14.19,34.247 U22.5@18.923,34.247 18.923,34.447 21.459,36.982 v1(23.114,36.982) ; v1(24.46,37.426) 29.016,37.426 29.142,37.3 U1.103@30.195,37.3
  Bottom Layer w0.198: v1(23.114,36.982) 23.558,37.426 v1(24.46,37.426)
SDC0_D0: U1.106 U22.6 | length 10.9
  Top Layer w0.198: U22.6@20.193,34.247 20.193,34.447 21.731,35.984 29.086,35.984 29.201,36.1 U1.106@30.195,36.1
SDC0_D1: U1.107 U22.7 | length 9.5
  Top Layer w0.198: U22.7@21.463,34.247 21.463,34.447 22.676,35.659 29.221,35.659 29.261,35.7 U1.107@30.195,35.7
SDC0_D2: U1.101 U22.1 | length 9.5
  Top Layer w0.198: U22.1@22.733,41.547 22.733,40.589 25.222,38.1 U1.101@30.195,38.1
SDC0_D3: U1.102 U22.2 | length 10.4
  Top Layer w0.198: U22.2@21.463,41.547 21.463,41.347 25.059,37.751 29.151,37.751 29.201,37.7 U1.102@30.195,37.7
SDC1_D0: R30.2 U1.3 | length 50.5
  Top Layer w0.198: v1(31.149,23.622) 31.149,23.638 32.32,24.809 U1.3@32.32,25.975
  Bottom Layer w0.198: v1(31.149,23.622) 31.149,23.606 30.314,22.771 29.34,22.771 26.442,25.669 23.193,25.669 20.437,28.425 20.437,41.476 24.971,46.01 33.433,46.01 37.544,50.121 37.644,50.121 37.895,50.372 R30.2@37.895,50.472
SDC1_D1: R29.2 U1.2 | length 54
  Top Layer w0.198: v1(30.421,23.622) 30.421,23.638 31.92,25.137 U1.2@31.92,25.975
  Bottom Layer w0.198: v1(30.421,23.622) 30.421,23.606 29.911,23.096 29.475,23.096 26.576,25.994 23.327,25.994 20.762,28.56 20.762,41.341 25.105,45.684 35.27,45.684 38.913,49.327 41.83,49.327 42.624,50.121 42.724,50.121 42.975,50.372 R29.2@42.975,50.472
SDC1_D2: R28.2 U1.1 | length 45.3
  Top Layer w0.198: v1(29.693,23.622) 29.693,23.638 30.203,24.148 30.368,24.148 31.52,25.3 U1.1@31.52,25.975
  Bottom Layer w0.198: v1(29.693,23.622) 26.995,26.319 23.462,26.319 21.087,28.694 21.087,41.206 25.24,45.359 37.151,45.359 37.544,45.753 37.644,45.753 37.895,46.004 R28.2@37.895,46.104
SDC1_D3: R27.2 U1.128 | length 45.9
  Top Layer w0.198: v1(28.88,26.645) 29.302,27.067 29.302,27.082 29.521,27.3 U1.128@30.195,27.3
  Bottom Layer w0.198: v1(28.88,26.645) 23.597,26.645 21.412,28.829 21.412,41.072 25.375,45.034 41.906,45.034 42.624,45.753 42.724,45.753 42.975,46.004 R27.2@42.975,46.104
SVREF: C92.1 C93.2 R45.2 R47.1 U1.63 U1.71 | length 13.5
  Top Layer w0.198: U1.71@41.52,41.025 41.52,39.988 42.209,39.3 U1.63@45.245,39.3 46.673,39.3 46.983,39.609 46.983,40.343 v1(46.863,40.462)
  Bottom Layer w0.508: C92.1@46.776,42.926 46.845,42.856 46.845,40.48 v1(46.863,40.462) 46.888,40.462 47.218,40.132 C93.2@48.551,40.132 48.526,40.107 48.526,38.862 R47.1@48.501,38.837
TWI0_SCK: U1.45
TWI0_SDA: U1.46
TWI1_SCK: P5.4 U1.48 | length 13
  Top Layer w0.152: U1.48@45.245,33.3 44.399,33.3 43.891,32.791 43.891,27.55 44.644,26.797 44.972,26.797 47.523,24.246 P5.4@47.523,23.038
TWI1_SDA: P5.3 U1.49 | length 16.3
  Top Layer w0.152: U1.49@45.245,33.7 44.34,33.7 43.566,32.926 43.566,30.429 43.566,27.48 44.528,26.518 44.856,26.518 46.38,24.994 46.38,21.641 P5.3@47.523,20.498
UART2_RX: U1.40
UART2_TX: U1.39
VBUS: F1.1 J1.2 J1.7 J1.10 J1.15 R21.2 U23.5 | length 20.7
  Top Layer w0.249: J1.10@6.422,30.925 8.218,30.925 8.661,31.369 v1@9.195,31.369 ; J1.7@6.422,31.275 8.059,31.275 8.458,31.674 9.195,31.674 v1(9.347,31.521) ; J1.2@6.422,35.725 7.489,35.725 7.495,35.73 8.262,35.73 8.661,35.331 v1@9.195,35.331 ; J1.15@6.422,36.075 8.4,36.075 8.839,35.636 v1@9.195,35.636
  Top Layer w0.584: v1(9.347,31.521) F1.1@11.557,31.521
  Bottom Layer w0.584: v1@9.339,31.521 9.339,32.58 10.229,33.47 10.819,33.47 U23.5@10.852,33.503 ; R21.2@9.339,36.144 9.339,34.425 10.229,33.536 U23.5@10.819,33.536
  other v1: 9.347,35.484
VHP_BP: C78.2 C80.2 U1.123 | length 4.3
  Top Layer w0.198: C78.2@27.438,27.381 C80.2@27.438,28.645 27.438,28.695 27.739,28.996 28.838,28.996 29.142,29.3 U1.123@30.195,29.3
VRA1: C94.2 U1.117 | length 3.1
  Top Layer w0.198: C94.2@27.438,32.436 27.438,32.386 27.739,32.085 27.789,32.085 28.174,31.7 U1.117@30.195,31.7
VRA2: C91.2 R46.2 U1.118 | length 4
  Top Layer w0.198: C91.2@27.438,29.909 27.488,29.959 R46.2@27.488,31.172 27.616,31.3 U1.118@30.195,31.3
VRTC: C71.2 R41.2 U1.98 | length 3.3
  Top Layer w0.198: v1@28.843,39.3 U1.98@30.195,39.3
  Bottom Layer w0.508: R41.2@27.953,39.116 27.953,39.186 28.049,39.282 28.78,39.282 v1(28.798,39.3) C71.2@29.82,39.3
VRTC_IO: C84.2 U1.97 | length 2.6
  Top Layer w0.198: v1(29.032,40.03) 29.109,39.954 29.266,39.954 29.519,39.7 U1.97@30.195,39.7
  Bottom Layer w0.508: C84.2@27.903,40.386 27.903,40.336 28.049,40.19 28.099,40.19 28.241,40.048 29.015,40.048 v1(29.032,40.03)
X24MIN: C3.1 U1.75 Y1.1 | length 4.8
  Top Layer w0.198: C3.1@38.227,44.226 39.483,44.226 Y1.1@39.581,44.128 39.631,44.128 39.982,43.777 39.982,43.727 40.132,43.577 40.132,42.858 39.92,42.647 U1.75@39.92,41.025
X24MOUT: C2.2 U1.74 Y1.3 | length 6.7
  Top Layer w0.198: U1.74@40.32,41.025 40.32,42.581 40.501,42.761 40.501,44.497 41.728,45.725 41.827,45.626 C2.2@43.129,45.626
X32KIN: C5.1 R4.1 U1.96 Y2.2 | length 7.7
  Top Layer w0.198: C5.1@26.659,41.803 Y2.2@26.659,43.327 26.86,43.126 28.654,43.126 R4.1@28.753,43.027 30.193,43.027 31.52,41.7 U1.96@31.52,41.025
X32KOUT: C4.1 R4.2 U1.95 Y2.1 | length 8.8
  Top Layer w0.198: C4.1@26.659,45.751 Y2.1@26.659,44.227 26.86,44.428 28.654,44.428 R4.2@28.753,44.527 29.159,44.527 31.92,41.765 U1.95@31.92,41.025
pads on no net: EARTHNET1.7 J1.0 J1.6 J1.14 S1.3 U2.3 U2.4 U2.5 U2.6 U2.10 U2.11 U3.3 U3.4 U3.5 U3.6 U3.10 U3.11 U4.3 U4.4 U4.5 U4.6 U4.10 U4.11 U5.3 U5.4 U5.5 U5.6 U5.10 U5.11 U14.5 U15.5 U16.5 U17.5 U23.4 U23.6 Y2.0

## Polygon pours and split planes (outlines as drawn)
NetL5_1 on Top Layer "Top Layer-NetL5_1" (solid, pour order 20): 36.271,11.405 36.271,11.633 34.595,14.757 33.553,14.757 33.299,14.757 33.299,12.192 34.569,12.192 35.509,11.405
NetL7_1 on Top Layer "Top Layer-NetL7_1" (solid, pour order 18): 38.049,9.627 38.278,9.627 40.183,7.366 40.183,4.801 38.938,4.801 38.049,8.865
NetL6_1 on Top Layer "Top Layer-NetL6_1" (solid, pour order 14): 38.049,11.811 38.278,11.811 40.183,13.564 40.183,16.129 38.938,16.129 38.049,12.598
NetR43_1 on Top Layer "Top Layer-NetR3_1" (solid, remove dead copper, pour order 12): 18.488,20.509 18.488,19.566 17.193,19.566 17.193,16.699 16.431,16.699 16.431,20.509
24V on Top Layer "Top Layer-24V" (solid, remove dead copper, pour order 10): 18.082,15.226 18.082,12.203 14.018,12.203 13.284,12.203 8.661,17.297 10.846,18.669 13.284,13.397 17.421,13.397 17.421,15.226
NetR42_1 on Top Layer "Top Layer-ADC1" (solid, remove dead copper, pour order 8): 17.142,15.226 14.145,15.226 13.306,15.226 13.306,14.184 17.142,14.184
NetC82_2 on Top Layer "Top Layer-NetC8_2" (solid, remove dead copper, pour order 6): 18.361,17.639 18.361,16.629 20.828,16.629 20.828,17.639
GND on Top Layer "Top Layer-GND" (solid, remove dead copper, pour order 4): 14.907,20.509 14.907,16.443 15.895,15.454 17.418,15.454 18.082,16.118 18.082,17.642 18.408,17.969 21.393,17.969 23.647,15.715 23.647,13.259 21.017,10.628 19.301,10.628 18.082,11.848 16.662,11.848 9.804,9.017 9.804,6.452 27.226,6.452 27.226,15.261 23.375,19.112 18.332,19.112 17.421,18.201 17.421,16.706 17.186,16.47 16.339,16.47 15.643,17.166 15.643,20.509
NetC82_1 on Top Layer "Top Layer-NetC8_1" (solid, remove dead copper, pour order 2): 18.364,15.232 18.364,14.343 19.075,11.245 20.719,11.245 23.145,13.671 23.145,15.875 20.828,16.072 19.707,16.072
5V on Top Layer "Top Layer-5V" (solid, remove dead copper, pour order 0): 19.275,19.566 19.275,20.509 25.051,20.509 29.544,16.016 29.544,7.036 27.607,7.036 27.607,15.617 23.657,19.566
EARTH on Bottom Layer "Bottom Layer-EARTH" (solid, pour order 38): 0.711,19.406 19.738,0.203 98.577,0.203 99.771,1.397 99.771,57.709 98.984,58.496 95.123,58.496 94.259,57.633 94.259,6.96 91.008,3.708 21.387,3.708 6.756,18.339 6.69,29.505 6.325,29.87 6.325,37.16 14.402,45.237 14.402,59.03 15.037,59.665 27.737,57.887 27.737,63.246 12.446,62.662 11.76,61.976 11.76,47.422 3.607,39.268 1.956,39.268 0.711,38.024
AGND_3 on Bottom Layer "Bottom Layer-AGND_4" (solid, pour order 36): 93.421,12.649 93.421,8.611 92.278,8.611 88.951,9.677 88.951,11.608 92.278,12.649
AGND_2 on Bottom Layer "Bottom Layer-AGND_3" (solid, pour order 34): 93.421,27.889 93.421,23.851 92.278,23.851 88.951,24.917 88.951,26.848 92.278,27.889
AGND_1 on Bottom Layer "Bottom Layer-AGND_2" (solid, pour order 32): 93.421,43.129 93.421,39.091 92.278,39.091 88.951,40.157 88.951,42.088 92.278,43.129
AGND_0 on Bottom Layer "Bottom Layer-AGND_1" (solid, pour order 30): 93.421,58.369 93.421,54.331 92.278,54.331 88.951,55.397 88.951,57.328 92.278,58.369

## Other copper
Bottom Layer:
  rectangle net GND: 36.449,9.804 38.278,11.633
  rectangle net GND: 32.08,28.016 43.409,39.192

## Silkscreen, mask and mechanical layers (free items; w line width, h text height)
Top Overlay:
  circle w0.254: c3.81,24.587 r3.2
  circle w0.254: c27.737,60.554 r3.2
  lines w0.2: 0,2.2 100,2.2 ; 0,64.8 100,64.8
  text "CAN0" at 45.485,60.97 h2
  text "CAN0_H" at 85.288,59.03 h1.15
  text "CAN1" at 45.485,56.601 h2
  text "GND0" at 86.233,56.032 h1.15
  text "POWER" at 30.912,53.467 h2
  text "CAN0_L" at 85.462,53.086 h1.15
  text "CAN2" at 45.485,52.232 h2
  text "SYS" at 33.918,51.765 h2
  text "CAN3" at 45.485,47.863 h2
  text "CAN1_H" at 85.288,43.79 h1.15
  text "GND1" at 86.253,40.789 h1.15
  text "RESET" at 5.029,39.726 h2.5
  text "CAN1_L" at 85.462,37.846 h1.15
  text "FEL" at 8.89,37.135 h2.5
  text "3V0" at 19.228,29.591 h1.52
  text "CAN2_H" at 85.288,28.55 h1.15
  text "JLCJLCJLCJLC" at 35.408,28.067 h1.5
  text "VCC" at 7.737,25.654 h2.5
  text "GND2" at 86.254,25.549 h1.15
  text "GND" at 18.898,23.698 h1.52
  text "EARTH" at 7.737,23.336 h2.5
  text "CAN2_L" at 85.462,22.606 h1.15
  text "TX" at 44.012,22.466 h2
  text "1V8" at 40.157,21.946 h1.52
  text "GND" at 7.739,21.066 h2.5
  text "RX" at 44.008,19.923 h2
  text "GND" at 38.252,19.558 h1.52
  text "1V2" at 30.505,19.355 h1.52
  text "GND" at 34.773,18.821 h1.52
  text "GND" at 42.469,17.399 h2
  text "5V" at 44.105,14.856 h2
  text "CAN3_H" at 85.288,13.31 h1.15
  text "GND3" at 86.211,10.309 h1.15
  text "5V" at 29.337,9.474 h1.52
  text "CAN3_L" at 85.462,7.366 h1.15
  text "3V3" at 47.041,6.477 h1.52
  text "GND" at 31.013,4.521 h1.52
  text "GND" at 47.066,2.591 h1.52
Bottom Overlay:
  text "CAN0_H" at 99.441,60.957 h2.5
  text "GND0" at 99.063,52.527 h2.5
  text "CAN0_L" at 99.063,50.797 h2.5
  text "CAN1_H" at 99.441,45.717 h2.5
  text "GND1" at 99.063,37.287 h2.5
  text "CAN1_L" at 99.063,35.557 h2.5
  text "CAN2_H" at 99.441,30.477 h2.5
  text "GND2" at 99.063,22.047 h2.5
  text "CAN2_L" at 99.063,20.317 h2.5
  text "CAN3_H" at 99.441,15.237 h2.5
  text "CAN Gateway 4" at 40.208,14.249 h4
  text "2020/12/03 ZJK V1.0" at 36.422,11.201 h2.5
  text "GND3" at 99.063,6.807 h2.5
  text "CAN3_L" at 99.063,5.077 h2.5
Mechanical 1:
  the board outline again, w0.2